# KiCad board skippy 2.kicad_pcb (continued)
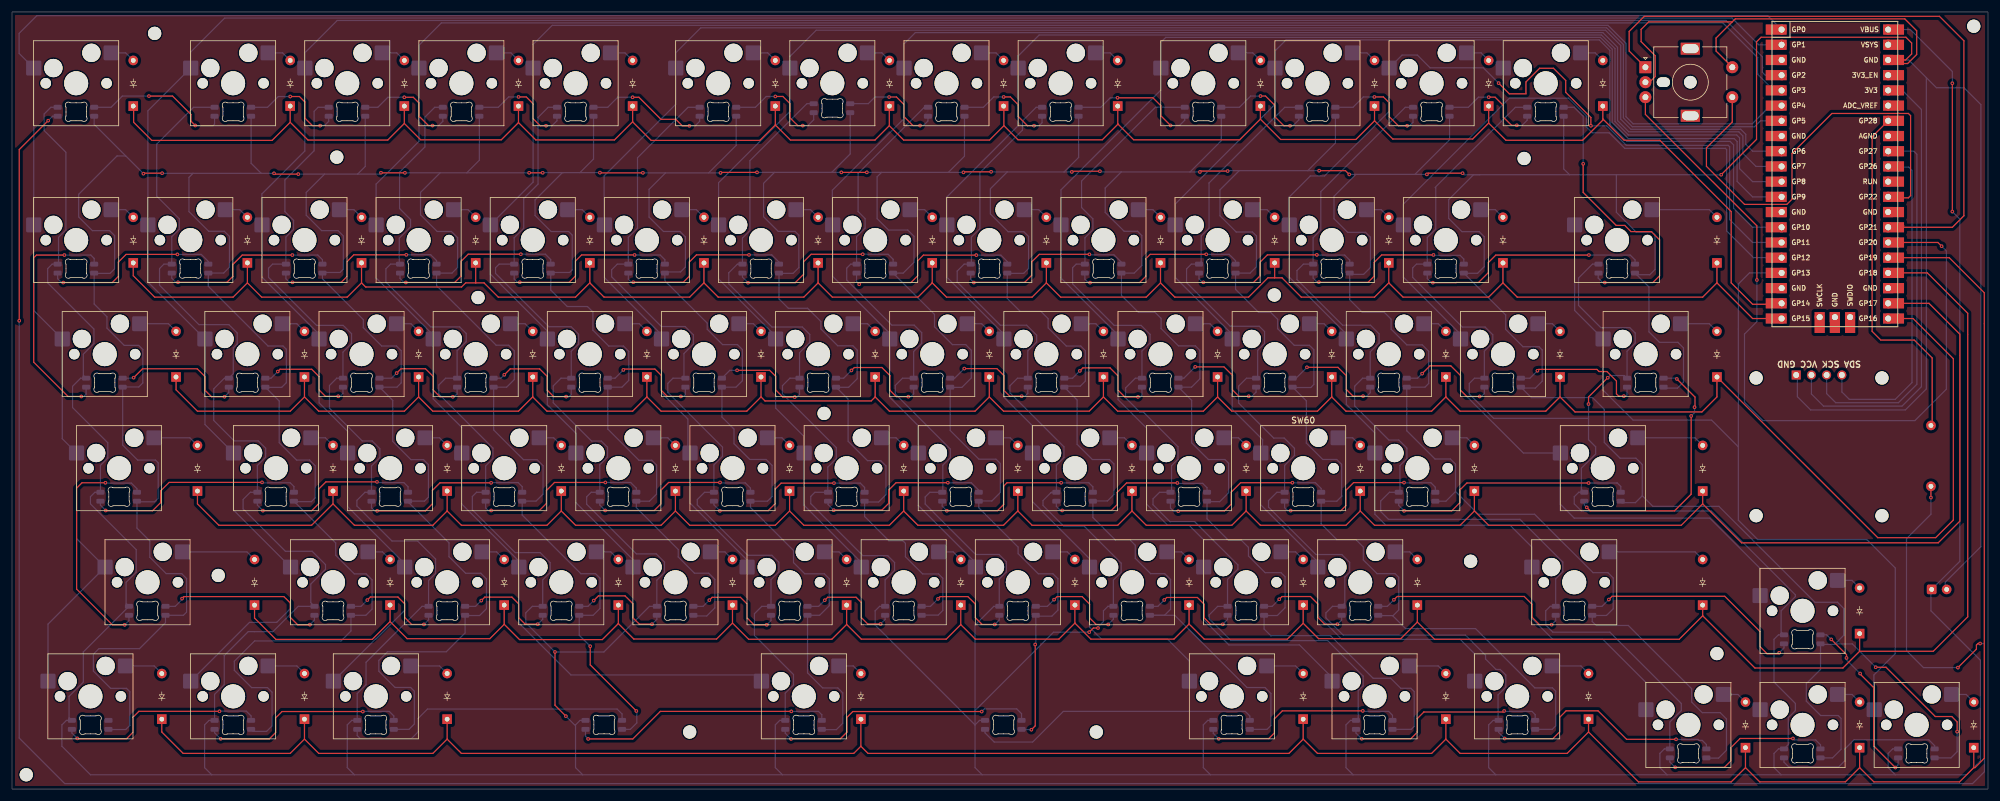
[diagram p0: board, top side]
## Nets
+3.3V: J1.2 U1.36
+5V: C1.1 L1.1 L2.1 L3.1 L4.1 L5.1 L6.1 L7.1 L8.1 L9.1 L10.1 L11.1 L12.1 L13.1 L14.1 L15.1 L16.1 L17.1 L18.1 L19.1 L20.1 L21.1 L22.1 L23.1 L24.1 L25.1 L26.1 L27.1 L28.1 L29.1 L30.1 L31.1 L32.1 L33.1 L34.1 L35.1 L36.1 L37.1 L38.1 L39.1 L40.1 L41.1 L42.1 L43.1 L44.1 L45.1 L46.1 L47.1 L48.1 L49.1 L50.1 L51.1 L52.1 L53.1 L54.1 L55.1 L56.1 L57.1 L58.1 L59.1 L60.1 L61.1 L62.1 L63.1 L64.1 L65.1 L66.1 L67.1 L68.1 L69.1 L70.1 L71.1 L72.1 L73.1 L74.1 L75.1 L76.1 L77.1 L78.1 L79.1 U1.40
GND: C1.2 J1.1 L1.3 L2.3 L3.3 L4.3 L5.3 L6.3 L7.3 L8.3 L9.3 L10.3 L11.3 L12.3 L13.3 L14.3 L15.3 L16.3 L17.3 L18.3 L19.3 L20.3 L21.3 L22.3 L23.3 L24.3 L25.3 L26.3 L27.3 L28.3 L29.3 L30.3 L31.3 L32.3 L33.3 L34.3 L35.3 L36.3 L37.3 L38.3 L39.3 L40.3 L41.3 L42.3 L43.3 L44.3 L45.3 L46.3 L47.3 L48.3 L49.3 L50.3 L51.3 L52.3 L53.3 L54.3 L55.3 L56.3 L57.3 L58.3 L59.3 L60.3 L61.3 L62.3 L63.3 L64.3 L65.3 L66.3 L67.3 L68.3 L69.3 L70.3 L71.3 L72.3 L73.3 L74.3 L75.3 L76.3 L77.3 L78.3 L79.3 SW78.C SW78.S2 U1.38
A: SW78.A U1.27
B: SW78.B U1.26
Col_1: SW1.1 SW2.1 SW3.1 SW4.1 SW5.1 SW6.1 U1.1
Col_2: SW7.1 SW8.1 SW9.1 SW10.1 SW11.1 SW12.1 U1.2
Col_3: SW13.1 SW14.1 SW15.1 SW16.1 SW17.1 SW18.1 U1.4
Col_4: SW19.1 SW20.1 SW21.1 SW22.1 SW23.1 SW24.1 U1.5
Col_5: SW25.1 SW26.1 SW27.1 SW28.1 SW29.1 U1.6
Col_6: SW30.1 SW31.1 SW32.1 SW33.1 SW34.1 U1.7
Col_7: SW35.1 SW36.1 SW37.1 SW38.1 SW39.1 U1.9
Col_8: SW40.1 SW41.1 SW42.1 SW43.1 SW44.1 U1.10
Col_9: SW45.1 SW46.1 SW47.1 SW48.1 SW49.1 SW50.1 U1.11
Col_10: SW51.1 SW52.1 SW53.1 SW54.1 SW55.1 SW56.1 U1.12
Col_11: SW57.1 SW58.1 SW59.1 SW60.1 SW61.1 SW62.1 U1.14
Col_12: SW63.1 SW64.1 SW65.1 SW66.1 SW67.1 SW68.1 U1.15
Col_13: SW69.1 SW70.1 SW71.1 SW72.1 SW73.1 SW74.1 U1.16
Col_14: SW75.1 SW76.1 SW77.1 U1.17
Led_DATA: L1.2 R1.2
Row_1: D1.1 D7.1 D13.1 D19.1 D25.1 D30.1 D35.1 D40.1 D45.1 D51.1 D57.1 D63.1 D69.1 U1.19
Row_2: D2.1 D8.1 D14.1 D20.1 D26.1 D31.1 D36.1 D41.1 D46.1 D52.1 D58.1 D64.1 D70.1 D75.1 U1.20
Row_3: D3.1 D9.1 D15.1 D21.1 D27.1 D32.1 D37.1 D42.1 D47.1 D53.1 D59.1 D65.1 D71.1 D76.1 U1.21
Row_4: D4.1 D10.1 D16.1 D22.1 D28.1 D33.1 D38.1 D43.1 D48.1 D54.1 D60.1 D66.1 D72.1 U1.22
Row_5: D5.1 D11.1 D17.1 D23.1 D29.1 D34.1 D39.1 D44.1 D49.1 D55.1 D61.1 D67.1 D73.1 U1.24
Row_6: D6.1 D12.1 D18.1 D24.1 D50.1 D56.1 D62.1 D68.1 D74.1 D77.1 U1.25
S1: SW78.S1 U1.29
SCL: J1.3 U1.32
SDA: J1.4 U1.31
Net-(D1-A): D1.2 SW1.2
Net-(D2-A): D2.2 SW2.2
Net-(D3-A): D3.2 SW3.2
Net-(D4-A): D4.2 SW4.2
Net-(D5-A): D5.2 SW5.2
Net-(D6-A): D6.2 SW6.2
Net-(D7-A): D7.2 SW7.2
Net-(D8-A): D8.2 SW8.2
Net-(D9-A): D9.2 SW9.2
Net-(D10-A): D10.2 SW10.2
Net-(D11-A): D11.2 SW11.2
Net-(D12-A): D12.2 SW12.2
Net-(D13-A): D13.2 SW13.2
Net-(D14-A): D14.2 SW14.2
Net-(D15-A): D15.2 SW15.2
Net-(D16-A): D16.2 SW16.2
Net-(D17-A): D17.2 SW17.2
Net-(D18-A): D18.2 SW18.2
Net-(D19-A): D19.2 SW19.2
Net-(D20-A): D20.2 SW20.2
Net-(D21-A): D21.2 SW21.2
Net-(D22-A): D22.2 SW22.2
Net-(D23-A): D23.2 SW23.2
Net-(D24-A): D24.2 SW24.2
Net-(D25-A): D25.2 SW25.2
Net-(D26-A): D26.2 SW26.2
Net-(D27-A): D27.2 SW27.2
Net-(D28-A): D28.2 SW28.2
Net-(D29-A): D29.2 SW29.2
Net-(D30-A): D30.2 SW30.2
Net-(D31-A): D31.2 SW31.2
Net-(D32-A): D32.2 SW32.2
Net-(D33-A): D33.2 SW33.2
Net-(D34-A): D34.2 SW34.2
Net-(D35-A): D35.2 SW35.2
Net-(D36-A): D36.2 SW36.2
Net-(D37-A): D37.2 SW37.2
Net-(D38-A): D38.2 SW38.2
Net-(D39-A): D39.2 SW39.2
Net-(D40-A): D40.2 SW40.2
Net-(D41-A): D41.2 SW41.2
Net-(D42-A): D42.2 SW42.2
Net-(D43-A): D43.2 SW43.2
Net-(D44-A): D44.2 SW44.2
Net-(D45-A): D45.2 SW45.2
Net-(D46-A): D46.2 SW46.2
Net-(D47-A): D47.2 SW47.2
Net-(D48-A): D48.2 SW48.2
Net-(D49-A): D49.2 SW49.2
Net-(D50-A): D50.2 SW50.2
Net-(D51-A): D51.2 SW51.2
Net-(D52-A): D52.2 SW52.2
Net-(D53-A): D53.2 SW53.2
Net-(D54-A): D54.2 SW54.2
Net-(D55-A): D55.2 SW55.2
Net-(D56-A): D56.2 SW56.2
Net-(D57-A): D57.2 SW57.2
Net-(D58-A): D58.2 SW58.2
Net-(D59-A): D59.2 SW59.2
Net-(D60-A): D60.2 SW60.2
Net-(D61-A): D61.2 SW61.2
Net-(D62-A): D62.2 SW62.2
Net-(D63-A): D63.2 SW63.2
Net-(D64-A): D64.2 SW64.2
Net-(D65-A): D65.2 SW65.2
Net-(D66-A): D66.2 SW66.2
Net-(D67-A): D67.2 SW67.2
Net-(D68-A): D68.2 SW68.2
Net-(D69-A): D69.2 SW69.2
Net-(D70-A): D70.2 SW70.2
Net-(D71-A): D71.2 SW71.2
Net-(D72-A): D72.2 SW72.2
Net-(D73-A): D73.2 SW73.2
Net-(D74-A): D74.2 SW74.2
Net-(D75-A): D75.2 SW75.2
Net-(D76-A): D76.2 SW76.2
Net-(D77-A): D77.2 SW77.2
Net-(L1-DOUT): L1.4 L2.2
Net-(L2-DOUT): L2.4 L3.2
Net-(L3-DOUT): L3.4 L4.2
Net-(L4-DOUT): L4.4 L5.2
Net-(L5-DOUT): L5.4 L6.2
Net-(L6-DOUT): L6.4 L7.2
Net-(L7-DOUT): L7.4 L8.2
Net-(L8-DOUT): L8.4 L9.2
Net-(L10-DIN): L9.4 L10.2
Net-(L10-DOUT): L10.4 L11.2
Net-(L11-DOUT): L11.4 L12.2
Net-(L12-DOUT): L12.4 L13.2
Net-(L13-DOUT): L13.4 L14.2
Net-(L14-DOUT): L14.4 L15.2
Net-(L15-DOUT): L15.4 L16.2
Net-(L16-DOUT): L16.4 L17.2
Net-(L17-DOUT): L17.4 L18.2
Net-(L18-DOUT): L18.4 L19.2
Net-(L19-DOUT): L19.4 L20.2
Net-(L20-DOUT): L20.4 L21.2
Net-(L21-DOUT): L21.4 L22.2
Net-(L22-DOUT): L22.4 L23.2
Net-(L23-DOUT): L23.4 L24.2
Net-(L24-DOUT): L24.4 L25.2
Net-(L25-DOUT): L25.4 L26.2
Net-(L26-DOUT): L26.4 L27.2
Net-(L27-DOUT): L27.4 L28.2
Net-(L28-DOUT): L28.4 L29.2
Net-(L29-DOUT): L29.4 L30.2
Net-(L30-DOUT): L30.4 L31.2
Net-(L31-DOUT): L31.4 L32.2
Net-(L32-DOUT): L32.4 L33.2
Net-(L33-DOUT): L33.4 L34.2
Net-(L34-DOUT): L34.4 L35.2
Net-(L35-DOUT): L35.4 L36.2
Net-(L36-DOUT): L36.4 L37.2
Net-(L37-DOUT): L37.4 L38.2
Net-(L38-DOUT): L38.4 L39.2
Net-(L39-DOUT): L39.4 L40.2
Net-(L40-DOUT): L40.4 L41.2
Net-(L41-DOUT): L41.4 L42.2
Net-(L42-DOUT): L42.4 L43.2
Net-(L43-DOUT): L43.4 L44.2
Net-(L44-DOUT): L44.4 L45.2
Net-(L45-DOUT): L45.4 L46.2
Net-(L46-DOUT): L46.4 L47.2
Net-(L47-DOUT): L47.4 L48.2
Net-(L48-DOUT): L48.4 L49.2
Net-(L49-DOUT): L49.4 L50.2
Net-(L50-DOUT): L50.4 L51.2
Net-(L51-DOUT): L51.4 L52.2
Net-(L52-DOUT): L52.4 L53.2
Net-(L53-DOUT): L53.4 L54.2
Net-(L54-DOUT): L54.4 L55.2
Net-(L55-DOUT): L55.4 L56.2
Net-(L56-DOUT): L56.4 L57.2
Net-(L57-DOUT): L57.4 L58.2
Net-(L58-DOUT): L58.4 L59.2
Net-(L59-DOUT): L59.4 L60.2
Net-(L60-DOUT): L60.4 L61.2
Net-(L61-DOUT): L61.4 L62.2
Net-(L62-DOUT): L62.4 L63.2
Net-(L63-DOUT): L63.4 L64.2
Net-(L64-DOUT): L64.4 L65.2
Net-(L65-DOUT): L65.4 L66.2
Net-(L66-DOUT): L66.4 L67.2
Net-(L67-DOUT): L67.4 L68.2
Net-(L68-DOUT): L68.4 L69.2
Net-(L69-DOUT): L69.4 L70.2
Net-(L70-DOUT): L70.4 L71.2
Net-(L71-DOUT): L71.4 L72.2
Net-(L72-DOUT): L72.4 L73.2
Net-(L73-DOUT): L73.4 L74.2
Net-(L74-DOUT): L74.4 L75.2
Net-(L75-DOUT): L75.4 L76.2
Net-(L76-DOUT): L76.4 L77.2
Net-(L77-DOUT): L77.4 L78.2
Net-(L78-DOUT): L78.4 L79.2
Net-(U1-GPIO28_ADC2): R1.1 U1.34

Pads without a net: L79 4; SW78 MP; U1 3 8 13 18 23 28 30 33 35 37 39 41 42 43

## Via types
v1: diameter 0.6, hole 0.3, Top to Bottom, 202 vias

## Routing (per net, layer and track width the routed paths; a pad name or vN(x,y) marks a point on that pad's centre or on a via; arc(x,y) is an arc through that point)
+3.3V: length 79.5
  Top w0.2: 315.21,116.92 313.13,116.92 313.41,117.2
  Bottom w0.2: J1.2 300.33,65.97 302.35,63.95 315.45,63.95 318.69,67.19 318.69,113.5 315.27,116.92 313.13,116.92
+5V: length 2566.2
  Top w0.2: v1(266.33,68.69) 263.13,65.48 v1(263.13,64.29) ; v1(181.26,26.89) 180.48,26.89 v1(179.78,26.19) ; v1(323.85,117.87) v1(323.85,96.44) ; v1(90.63,22.89) 90.63,13.99 v1(92.45,12.17)
  Bottom w0.2: 94.06,10.72 94.06,3.57 95.25,2.38 ; 94.06,10.72 93.9,10.72 v1(92.45,12.17) ; 94.06,10.72 94.81,11.47 L76.1 ; 223.84,2.38 200.03,2.38 ; 223.84,2.38 247.65,2.38 ; 223.84,2.38 222.65,3.57 222.65,10.72 223.4,11.47 L72.1 224.69,11.84 224.69,16.41 225.52,17.24 225.52,18.86 219.59,24.79 203.46,24.79 199.82,28.43 199.82,29.09 201.24,30.52 L64.1 202.88,35 204.61,36.73 204.61,37.43 197.39,44.65 193.28,44.65 190.44,47.49 190.44,48.46 191.54,49.57 L45.1 193.54,49.75 193.54,54.01 194.61,55.08 194.61,57.18 188.82,62.97 188.23,62.97 185.87,65.33 185.87,67 187.48,68.62 L37.1 188.59,73.15 189.96,74.52 189.96,75.93 188.46,77.43 183.96,77.43 177.02,84.37 177.02,87.06 177.62,87.67 L18.1 179.08,87.68 179.08,92.07 180.4,93.39 180.4,95.23 178.52,97.11 178.52,101.55 190.83,113.86 L10.1 ; 200.03,2.38 198.83,3.57 198.83,10.72 199.58,11.47 L73.1 ; 200.03,2.38 161.93,2.38 ; L1.1 6.49,113.86 5.37,112.74 5.37,109.98 9,106.35 9,93.37 7.77,92.14 7.77,87.82 L27.1 6.7,87.67 5.95,86.92 5.95,84.53 13.68,76.81 13.68,74.4 11.91,72.63 11.91,69.09 L28.1 11.47,68.62 10.11,67.26 10.11,63.71 15.99,57.83 15.99,55.28 14.76,54.05 L54.1 13.85,49.57 13.1,48.82 13.1,47.62 20.73,39.99 20.73,36.21 19.05,34.53 19.05,30.99 L55.1 11.91,22.9 11.91,17.86 9.53,15.48 9.53,11.94 L79.1 9.08,11.47 8.33,10.72 8.33,7.14 13.1,2.38 33.34,2.38 ; v1(266.33,68.69) 266.7,69.06 269.11,69.06 269.55,68.62 269.55,73.11 270.92,74.48 270.92,76.16 270.01,77.07 265.17,77.07 261.46,80.78 261.46,85.34 263.78,87.67 L14.1 ; L8.1 152.27,113.86 141.22,102.81 141.22,96.44 142.39,95.27 142.39,93.68 140.97,92.26 L20.1 139.99,87.67 139.32,86.99 139.32,85.01 146.85,77.48 150.57,77.48 151.84,76.21 151.84,74.42 150.49,73.07 L35.1 148.63,68.62 147.43,67.41 147.43,65.97 156.61,56.79 156.61,55.33 155.36,54.08 155.36,49.67 L47.1 153.19,49.57 152.42,48.79 152.42,47.59 160.83,39.18 164.74,39.18 165.97,37.95 165.97,36.26 164.78,35.07 L62.1 163.87,30.52 160.73,27.38 160.73,13.1 ; L2.1 30.31,113.86 24.16,107.71 24.16,99.01 27.94,95.23 27.94,93.51 26.67,92.24 L26.1 25.36,87.67 24.63,86.93 24.63,84.14 31.22,77.55 36.21,77.55 37.59,76.17 37.59,74.32 36.94,73.67 36.94,69.36 L29.1 35.45,68.62 33.67,66.83 33.67,61.56 37.08,58.15 41.11,58.15 42.34,56.92 42.34,55.99 42.33,55.98 42.33,55.41 40.95,54.03 40.95,49.57 39.78,49.57 38.58,48.36 38.58,46.77 45.64,39.71 50.1,39.71 52.33,37.48 52.33,36.69 49.87,34.23 49.87,31.13 L56.1 47.78,30.52 43.55,26.28 40.44,26.28 40.43,26.29 39.43,26.29 35.43,22.29 35.43,17.43 33.81,15.81 L78.1 32.9,11.47 32.15,10.72 32.15,3.57 33.34,2.38 ; 276.23,2.38 247.65,2.38 ; 276.23,2.38 275.03,3.57 275.03,5.95 275.78,6.7 L70.1 276.7,11.19 278.61,13.1 278.61,14.29 266.7,26.19 257.18,26.19 255.98,27.38 255.98,29.77 256.73,30.52 L66.1 257.65,35.1 258.84,36.29 258.84,37.89 251.69,45.04 229.74,45.04 228.44,46.34 228.44,48.1 229.9,49.57 L43.1 231.66,49.77 231.66,54.03 232.81,55.18 232.81,56.94 231.47,58.28 229.81,58.28 224.1,63.99 224.1,67.28 225.43,68.62 L39.1 226.69,73.01 228.18,74.5 228.18,76.02 226.74,77.46 222.09,77.46 214.47,85.08 214.47,86.59 215.54,87.67 L16.1 217.17,92.09 218.45,93.37 218.45,99.77 232.54,113.86 L12.1 ; 276.23,2.38 295.28,2.38 ; 247.65,2.38 246.46,3.57 246.46,10.72 247.21,11.47 L71.1 248.03,11.56 248.03,15.73 249.32,17.02 249.32,19.04 248.39,19.97 247.69,19.97 245.94,21.72 245.94,22.35 242.59,25.7 222.19,25.7 219.3,28.59 219.3,29.42 220.39,30.52 L65.1 222.45,31.04 222.45,35.41 223.26,36.22 223.26,37.86 221.96,39.16 217.64,39.16 209.72,47.08 209.72,48.16 211.12,49.57 L44.1 212.4,54.04 214.08,55.72 214.05,55.75 214.05,56.91 212.34,58.62 210.58,58.62 204.73,64.47 204.73,67.29 206.05,68.62 L38.1 207.9,68.87 207.9,73.26 209.06,74.42 209.06,76.4 208.17,77.29 203.33,77.29 196.04,84.58 196.04,86.87 196.83,87.67 L17.1 198.48,88.03 198.48,92.36 199.79,93.67 199.79,101.22 212.43,113.86 L11.1 ; 128.59,2.38 127.4,3.57 127.4,10.72 128.15,11.47 L75.1 129.06,16.01 130.44,17.39 130.44,19.12 123.92,25.64 123.92,29.29 125.14,30.52 L60.1 126.68,34.96 128,36.28 128,37.87 126.83,39.04 122.79,39.04 114.38,47.45 114.38,48.34 115.6,49.57 L49.1 117.15,54.12 118.59,55.56 118.59,57.11 109.46,66.24 109.46,67.75 110.32,68.62 L33.1 112.15,68.86 112.15,72.73 113.74,74.32 113.74,75.85 112.35,77.24 108.39,77.24 100.09,85.54 100.09,86.73 101.02,87.67 L22.1 102.87,92.14 104.4,93.67 104.4,105.42 112.84,113.86 L6.1 ; 128.59,2.38 95.25,2.38 ; 128.59,2.38 161.93,2.38 ; U1.40 316.83,126.84 316.84,126.85 323.85,119.84 v1(323.85,117.87) ; v1(179.78,26.19) 173.83,26.19 160.73,13.1 ; L24.1 63.19,87.67 62.41,86.88 62.41,84.67 69.89,77.19 74.71,77.19 75.81,76.09 75.81,74.72 74.29,73.2 L31.1 72.37,68.62 71.23,67.47 71.23,65.99 80.28,56.94 80.28,55.18 79.05,53.95 L51.1 77.54,49.57 76.84,48.86 76.84,46.63 83.98,39.49 88.16,39.49 89.83,37.82 89.83,36.18 88.58,34.93 L58.1 86.84,30.52 85.75,29.42 85.75,27.77 v1(90.63,22.89) 98.79,22.89 106.41,30.52 L59.1 107.63,34.88 108.91,36.16 108.91,37.9 107.53,39.28 104.21,39.28 95.92,47.57 95.92,48.81 96.67,49.57 98.1,49.57 98.1,54.15 99.4,55.45 99.4,57.09 98.38,58.11 96.74,58.11 90.34,64.51 90.34,67.32 91.63,68.62 L32.1 93.34,73.1 94.57,74.33 94.57,75.97 93.33,77.21 89.61,77.21 80.71,86.11 80.71,87.07 81.3,87.67 L23.1 83.82,92.07 85.41,93.66 85.41,98.64 87.8,101.03 87.8,112.17 89.49,113.86 L5.1 ; L24.1 64.77,87.37 ; L24.1 64.64,87.79 64.64,92.01 66.52,93.89 66.52,95.12 64.69,96.95 64.69,103.01 68.92,107.24 68.92,112.22 70.56,113.86 L4.1 ; L7.1 132.68,114.46 123.16,104.94 123.16,93.26 121.92,92.02 L21.1 121.07,87.67 119.63,86.22 119.63,84.38 126.84,77.17 131.91,77.17 133.15,75.93 133.15,74.58 131.44,72.87 L34.1 129.83,68.62 128.6,67.38 128.6,66 137.58,57.02 137.58,55.18 136.16,53.76 136.16,49.61 136.2,49.57 134.01,49.57 133.32,48.87 133.32,47.67 142.01,38.98 146.15,38.98 147.31,37.82 147.31,36.51 145.73,34.93 L61.1 144.82,30.52 144.07,29.77 144.07,27.38 160.73,10.72 ; 160.73,13.1 160.73,10.72 ; 95.25,2.38 57.15,2.38 ; 263.13,61.91 263.13,58.34 264.32,57.15 264.32,55.96 261.94,53.58 261.94,50.04 L42.1 261.5,49.57 260.75,48.82 260.75,47.62 261.94,46.43 283.65,46.43 297.66,32.43 297.66,32.15 295.28,29.77 295.28,26.22 L67.1 294.83,25.75 294.08,25 294.08,17.86 297.66,14.29 297.66,13.1 296.47,11.91 296.47,7.42 L69.1 294.83,6.7 294.08,5.95 294.08,3.57 295.28,2.38 ; 263.13,61.91 v1(263.13,64.29) ; 263.13,61.91 247.29,61.91 243.23,65.97 243.23,67.74 244.1,68.62 L40.1 245.74,73.13 247.15,74.54 247.15,75.87 245.86,77.16 242.07,77.16 233.78,85.45 233.78,87.03 234.41,87.67 L15.1 236.22,92.11 237.63,93.52 237.63,100.41 237.55,100.49 250.92,113.86 L13.1 ; 161.93,2.38 160.73,3.57 160.73,10.72 ; 160.73,10.72 161.48,11.47 L74.1 ; 57.15,2.38 55.96,3.57 55.96,10.72 56.71,11.47 L77.1 57.62,15.95 59.1,17.43 59.1,21.17 68.44,30.52 L57.1 69.53,34.83 70.7,36 70.7,38.41 67.69,41.42 63.42,41.42 57.57,47.27 57.57,48.21 58.92,49.57 L52.1 60,53.96 61.4,55.36 61.4,56.85 60.11,58.14 58.46,58.14 52.99,63.61 52.99,67.4 54.2,68.62 L30.1 55.24,72.97 56.68,74.41 56.68,76.03 55.28,77.43 50.84,77.43 42.82,85.45 42.82,86.99 43.49,87.67 L25.1 45.72,92.19 47,93.47 47,94.98 45.55,96.43 45.55,101.72 50.43,106.6 50.43,113.19 51.1,113.86 L3.1 ; 57.15,2.38 33.34,2.38 ; 314.32,2.38 295.28,2.38 ; 314.32,2.38 313.13,3.57 313.13,5.95 313.88,6.7 L68.1 ; 314.32,2.38 326.23,2.38 328.54,4.69 328.54,21.51 320.28,29.77 320.28,33.22 C1.1 325.1,38.04 325.1,95.19 v1(323.85,96.44) ; L9.1 170.93,113.86 168.65,111.58 168.65,110.04 161.54,102.93 161.54,93.57 160.13,92.16 160.13,87.78 L19.1 158.91,87.67 157.76,86.51 157.76,84.67 164.97,77.46 169.36,77.46 171.02,75.8 171.02,74.66 169.54,73.18 L36.1 167.83,68.62 166.56,67.34 166.56,66.17 175.58,57.15 175.58,55.36 174.3,54.08 L46.1 173.51,49.57 173.39,49.44 173.35,49.44 172.08,48.17 172.08,47.37 175.54,43.91 178.94,43.91 185.13,37.72 185.13,36.2 183.83,34.9 L63.1 182.92,30.52 182.17,29.77 182.17,27.97 181.26,27.06 v1(181.26,26.89)
GND: length 2672.3
  Top w0.2: v1(170.14,9.91) 170.78,10.55 v1(170.78,24.14) ; v1(181.58,103.18) 177.01,103.18 v1(176.89,103.06) ; v1(65.59,102.92) 61.6,102.92 v1(61.59,102.93) ; v1(163.42,103.09) 158.91,103.09 v1(158.81,102.99) ; v1(43.74,102.83) 43.87,102.7 v1(47.79,102.7) ; v1(142.68,102.99) v1(138.42,102.99) ; v1(202.9,103.21) 198.42,103.21 v1(198.27,103.06) ; v1(236.15,102.65) 236.35,102.85 v1(242.11,102.85) ; v1(118.26,102.91) 118.34,102.99 v1(124.35,102.99) ; v1(98.13,102.95) 98.17,102.91 v1(105.3,102.91) ; 287.12,128.13 284.42,125.43 284.42,123.25 SW78.S2 ; 287.12,128.13 273.17,128.13 271.91,126.87 271.91,124.82 274.26,122.47 274.26,119 273.31,118.05 SW78.C ; 287.12,128.13 287.62,128.63 315.91,128.63 317.9,126.64 317.9,122.68 316.39,121.17 313.73,121.17 U1.38 316.05,121.76 317.06,122.77 317.06,124.6 316.1,125.56 291.93,125.56 291.17,124.8 291.17,108.5 v1(285.27,102.6) ; v1(25.06,102.85) 22.01,102.85 v1(21.94,102.78) ; v1(218.17,103.28) 222.56,103.28 v1(223.19,102.65) ; v1(88.58,102.92) v1(86.32,102.92) ; v1(104.21,13.03) 96.51,20.73 v1(96.51,23.85) ; v1(324.65,9.58) 324.65,11.21 323.75,12.11 321.01,12.11 312.78,20.34 v1(311.06,20.34)
  Bottom w0.2: 57.68,102.7 61.36,102.7 v1(61.59,102.93) ; 57.68,102.7 52.17,102.7 ; 57.68,102.7 58.96,103.98 L3.3 ; 116.29,102.91 120.87,107.49 L6.3 ; 116.29,102.91 v1(118.26,102.91) ; 116.29,102.91 109.08,102.91 ; U1.38 316.57,121.76 319.51,118.82 ; J1.1 297.99,68.95 297.99,65.52 300.2,63.31 316,63.31 319.51,66.82 319.51,118.82 ; 204.83,103.28 201.61,100.06 201.61,95.75 204.33,93.03 207.04,93.03 207.71,92.36 207.71,87.23 206.64,86.17 L17.3 204.22,83.45 208.06,79.61 210.08,79.61 211.24,78.45 211.24,76.88 214.01,74.11 216.54,74.11 217.29,73.36 217.29,67.57 216.78,67.06 213.8,67.06 L38.3 216.03,64.83 216.03,57.78 218.77,55.04 221.11,55.04 221.92,54.23 221.92,48.88 221.1,48.07 L44.3 218.5,44.28 221.13,41.66 224.3,41.66 225.54,40.42 225.54,38.26 227.83,35.97 230.84,35.97 231.45,35.36 231.45,29.91 230.51,28.97 230.41,28.97 ; 204.83,103.28 202.97,103.28 v1(202.9,103.21) ; 204.83,103.28 216.27,103.28 ; L73.3 209.47,9.97 210.12,10.61 210.12,15.97 209.14,16.95 206.13,16.95 194.06,29.02 L63.3 192.36,29.02 193.37,30.02 193.37,35 192.4,35.97 190.04,35.97 187.48,38.53 187.48,40.72 186.63,41.57 184.18,41.57 180.4,45.34 L46.3 180.46,48.12 182.84,48.12 183.92,49.2 183.92,54.3 183.19,55.03 180.32,55.03 177.77,57.58 177.77,64.99 L36.3 175.81,67.29 178.3,67.29 179.15,68.14 179.15,73.22 178.39,73.98 175.97,73.98 172.94,77.01 172.94,78.55 171.71,79.78 168.27,79.78 166.12,81.93 L19.3 166.15,86.13 168.87,86.13 169.67,86.93 169.67,92.29 168.88,93.08 166.26,93.08 163.3,96.04 163.3,100.25 166.11,103.06 ; L69.3 303.85,5.2 305.28,6.63 305.28,11.79 304.8,12.27 301.88,12.27 299.48,14.67 299.48,17.61 301.85,19.98 L67.3 301.94,24.16 304.21,24.16 304.28,24.23 ; L72.3 233.54,9.97 234.03,10.45 234.03,16.28 233.48,16.83 231.77,16.83 230.1,18.5 227.18,18.5 220.07,25.61 210.09,25.61 208.98,26.72 L64.3 209.01,28.98 211.18,28.98 212.48,30.28 212.48,35.46 211.81,36.13 209.16,36.13 206.37,38.92 206.37,40.36 205.18,41.55 203.03,41.55 199.45,45.12 L45.3 199.53,47.99 201.57,47.99 203.05,49.47 203.05,54.42 202.44,55.03 199.69,55.03 196.89,57.83 196.89,64.92 L37.3 196.86,67.12 198.26,68.51 198.26,73.27 197.52,74.01 194.69,74.01 191.79,76.91 191.79,78.61 190.79,79.61 188.01,79.61 185.17,82.45 L18.3 187.29,86.17 188.57,87.44 188.57,92.45 187.87,93.15 185.63,93.15 182.46,96.32 182.46,100.38 185.14,103.06 ; 267.78,102.6 267.78,96.32 271.09,93.01 273.75,93.01 274.23,92.53 274.23,86.77 273.35,85.89 271.17,85.89 L14.3 273.21,83.85 273.21,76.36 274.96,74.61 278.04,74.61 278.98,73.67 278.98,67.96 277.97,66.95 275.82,66.95 L41.3 ; 267.78,102.6 v1(285.27,102.6) ; 267.78,102.6 259.95,102.6 ; 166.11,103.06 163.45,103.06 v1(163.42,103.09) ; 166.11,103.06 175.6,103.06 ; 224.3,102.65 v1(223.19,102.65) ; 224.3,102.65 220.65,99 220.65,95.25 222.93,92.97 225.92,92.97 226.73,92.16 226.73,87.1 225.59,85.96 223.47,85.96 L16.3 223.27,81.72 225.36,79.63 229.02,79.63 230.18,78.47 230.18,76.8 232.8,74.18 235.38,74.18 236.45,73.11 236.45,67.73 235.83,67.12 L39.3 232.79,59.84 237.51,55.12 240.08,55.12 240.93,54.27 240.93,49.68 ; 224.3,102.65 234.15,102.65 ; 109.08,102.91 v1(105.3,102.91) ; 109.08,102.91 106.33,100.16 106.33,95.52 108.73,93.12 111.5,93.12 112.4,92.22 112.4,87.18 111.58,86.36 109.16,86.36 L22.3 108.97,84.88 116.04,77.81 116.04,76.78 118.6,74.22 121.08,74.22 121.91,73.39 121.91,68.19 120.83,67.12 L33.3 118.49,62.13 120.51,60.11 120.51,57.68 123.15,55.04 125.88,55.04 126.87,54.05 126.87,48.85 126.08,48.07 L49.3 123.25,47.02 130.44,39.84 130.44,37.82 132.31,35.95 135.58,35.95 136.41,35.12 136.41,30.63 134.79,29.02 L60.3 132.78,19.4 135.29,16.89 137.83,16.89 138.66,16.06 138.66,10.99 137.59,9.92 135.21,9.92 L75.3 ; 71.46,102.92 v1(65.59,102.92) ; 71.46,102.92 68.19,99.65 68.19,95.9 70.97,93.12 73.34,93.12 74.38,92.08 74.38,87.11 73.43,86.17 L24.3 70.87,84.06 80.8,74.13 82.9,74.13 83.84,73.19 83.84,68.4 82.55,67.12 L31.3 80.39,59.98 85.37,55 87.65,55 88.64,54.01 88.64,49.26 87.46,48.08 85.17,48.08 L51.3 85.15,45.76 94.96,35.96 97.4,35.96 98.14,35.22 98.14,30.16 96.99,29.02 L58.3 94.68,25.68 v1(96.51,23.85) ; 71.46,102.92 75.91,102.92 ; v1(98.13,102.95) 94.79,102.95 ; 94.79,102.95 92.05,102.95 ; 94.79,102.95 97.06,105.22 L5.3 ; v1(25.06,102.85) 25.08,102.83 30.22,102.83 ; L71.3 257.07,9.97 257.65,10.54 257.65,16.35 257.1,16.9 254.16,16.9 244.27,26.79 232.59,26.79 230.41,28.97 ; L78.3 40.25,9.63 42.5,9.63 43.41,10.54 43.41,16.17 42.64,16.94 40,16.94 37.11,19.83 37.11,21.34 40.51,24.74 54.92,24.74 56.58,26.4 L56.3 59.06,29.02 60.1,30.05 60.1,34.95 59.11,35.94 57.13,35.94 54.03,39.04 54.03,41.09 L53.3 47.13,47.99 49.97,47.99 50.61,48.63 50.61,53.99 49.68,54.92 49.68,54.94 47.5,54.94 44.6,57.84 44.6,64.81 L29.3 42.32,67.09 45.02,67.09 45.79,67.86 45.79,73.44 45.24,73.99 42.74,73.99 32.77,83.96 L26.3 32.77,86.17 35.33,86.17 36.3,87.14 36.3,92.3 35.45,93.15 32.83,93.15 29.54,96.44 29.54,102.15 30.22,102.83 ; 13.91,86.36 L27.3 ; L27.3 13.76,86.12 16.36,86.12 17.13,86.89 17.13,92.43 16.3,93.26 13.42,93.26 11.13,95.55 11.13,99.33 17.53,105.73 18.94,105.73 18.96,105.75 ; L27.3 13.72,81.01 15.85,78.88 15.85,76.98 18.74,74.09 21.16,74.09 21.84,73.41 21.84,67.84 21.15,67.15 18.51,67.15 L28.3 18.48,57.44 20.98,54.94 23.95,54.94 24.41,54.48 24.41,48.57 23.81,47.97 20.96,47.97 L54.3 20.86,43.57 23,41.43 23,38.71 25.73,35.98 28.32,35.98 29.14,35.16 29.14,29.55 28.6,29.02 L55.3 25.62,27.78 21.28,23.44 14.51,23.44 13.59,22.52 13.59,19.69 16.46,16.82 19.11,16.82 19.67,16.26 19.67,10.62 18.99,9.94 16.12,9.94 L79.3 ; L27.3 13.9,85.98 ; 136.83,102.99 127.27,102.99 ; 136.83,102.99 v1(138.42,102.99) ; 136.83,102.99 139.9,106.06 L7.3 ; 127.27,102.99 125.44,101.16 125.44,95.58 127.89,93.13 130.7,93.13 131.33,92.5 131.33,87.09 130.37,86.13 128.05,86.13 L21.3 128.02,81.85 129.58,80.29 132.8,80.29 135.01,78.08 135.01,76.84 137.82,74.03 140.35,74.03 141.07,73.31 141.07,68.53 139.64,67.1 137.56,67.1 L34.3 139.56,65.1 139.56,58.07 142.79,54.84 145,54.84 145.87,53.97 145.87,49.16 144.65,47.94 142.43,47.94 L48.3 142.3,45.51 146.35,41.47 148.69,41.47 149.12,41.04 149.12,38.8 152,35.92 154.65,35.92 155.36,35.21 155.36,29.83 154.57,29.04 151.85,29.04 L61.3 ; 127.27,102.99 v1(124.35,102.99) ; 75.91,102.92 78.01,105.02 L4.3 ; 75.91,102.92 v1(86.32,102.92) ; L77.3 66.26,9.97 67.16,10.86 67.16,16.34 66.54,16.96 63.94,16.96 61.23,19.67 61.23,21.48 62.67,22.92 72.48,22.92 75.63,26.07 L57.3 75.66,28.98 78.05,28.98 79.19,30.12 79.19,35.1 78.25,36.04 75.71,36.04 72.94,38.81 72.94,41.11 66.1,47.94 L52.3 66.12,48.08 68.85,48.08 69.51,48.74 69.51,54.19 68.69,55.01 66.59,55.01 63.55,58.05 63.55,64.91 L30.3 64.24,67.12 64.96,67.83 64.96,73.21 64.18,73.99 61.71,73.99 58.64,77.06 58.64,78.4 51.82,85.22 L25.3 51.92,86.27 54.75,86.27 55.31,86.83 55.31,92.37 54.42,93.26 51.68,93.26 49.11,95.83 49.11,99.64 52.17,102.7 ; 196.62,103.06 185.14,103.06 ; 196.62,103.06 201.83,108.28 L10.3 ; 196.62,103.06 v1(198.27,103.06) ; 185.14,103.06 181.7,103.06 v1(181.58,103.18) ; v1(88.58,102.92) 88.61,102.95 92.05,102.95 ; 319.51,118.82 321.2,117.13 325.78,117.13 328.61,114.3 328.61,40.48 322.66,34.53 322.66,33.58 C1.2 ; L59.3 113.83,28.91 115.97,28.91 117.31,30.25 117.31,35.02 116.28,36.05 113.91,36.05 111.2,38.76 111.2,40 104.2,46.99 L50.3 106.39,48.07 107.59,49.26 107.59,54.11 106.79,54.91 104.64,54.91 99.44,60.11 L32.3 101.8,67.12 102.94,68.25 102.94,73.1 102.06,73.98 99.6,73.98 96.95,76.63 96.95,79.69 96.06,80.58 92.68,80.58 89.92,83.34 L23.3 90.02,86.27 93.07,86.27 93.51,86.71 93.51,92.51 92.91,93.11 89.98,93.11 87.3,95.79 87.3,98.38 91.87,102.95 92.05,102.95 ; v1(324.65,9.58) 324.65,6.23 323.62,5.2 L68.3 ; 272.1,48.98 272.1,54.2 271.05,55.25 268.4,55.25 265.76,57.89 265.76,63.41 263.8,65.37 253.59,65.37 L40.3 251.99,66.97 254.26,66.97 255.4,68.11 255.4,73.34 254.87,73.87 252.19,73.87 249.3,76.76 249.3,79.18 L15.3 242.34,86.14 244.62,86.14 245.72,87.24 245.72,92.26 244.89,93.09 242,93.09 239.79,95.3 239.79,98.45 243.94,102.6 245,102.6 ; 272.1,48.98 270.95,47.83 268.75,47.83 L42.3 ; 272.1,48.98 273.87,47.21 284.9,47.21 300.92,31.19 304.69,31.19 305.7,30.18 305.7,25.65 304.28,24.23 ; 304.28,24.23 307.16,24.23 v1(311.06,20.34) ; 52.17,102.7 v1(47.79,102.7) ; 175.6,103.06 178.02,105.48 L9.3 ; 175.6,103.06 v1(176.89,103.06) ; 234.15,102.65 239.93,108.44 L12.3 ; 234.15,102.65 v1(236.15,102.65) ; 240.93,49.68 244.72,45.89 254.13,45.89 263.89,36.13 266.37,36.13 267.25,35.25 267.25,30.11 266.13,28.99 263.77,28.99 L66.3 263.75,27.97 264.4,27.32 269.77,27.32 280.34,16.75 280.34,14.53 282.12,12.75 285.12,12.75 286.15,11.72 286.15,6.48 284.83,5.16 282.84,5.16 L70.3 ; 240.93,49.68 239.31,48.07 L43.3 ; 41.59,102.83 39.91,104.51 L2.3 ; 41.59,102.83 30.22,102.83 ; 41.59,102.83 v1(43.74,102.83) ; 245,102.6 242.36,102.6 v1(242.11,102.85) ; 245,102.6 259.95,102.6 ; v1(21.94,102.78) 18.96,105.75 ; 18.96,105.75 13.72,111 L1.3 ; 230.41,28.97 228.07,28.97 L65.3 ; v1(158.81,102.99) 156.28,102.99 ; 156.28,102.99 145.13,102.99 ; 156.28,102.99 158.97,105.68 L8.3 ; L11.3 220.88,107.9 216.27,103.28 ; 259.95,102.6 258.98,103.56 L13.3 ; 145.13,102.99 144.4,102.26 144.4,95.25 146.3,93.35 149.51,93.35 150.55,92.31 150.55,87.97 148.74,86.17 L20.3 153.97,79.26 153.97,77.21 156.96,74.22 159.18,74.22 160.11,73.29 160.11,68.65 158.54,67.08 156.63,67.08 L35.3 156.59,59.88 161.38,55.09 164.23,55.09 164.96,54.36 164.96,49.53 163.54,48.11 161.4,48.11 L47.3 161.35,46.97 167.93,40.4 167.93,39.31 171.29,35.95 173.74,35.95 174.57,35.12 174.57,29.88 173.56,28.87 171.02,28.87 L62.3 170.88,24.24 v1(170.78,24.14) ; 145.13,102.99 v1(142.68,102.99) ; 216.27,103.28 v1(218.17,103.28) ; L74.3 168.55,9.91 v1(170.14,9.91) ; L76.3 103.2,9.97 104.28,11.04 104.28,12.96 v1(104.21,13.03)
A: length 111
  Top w0.2: 313.13,94.06 315.76,94.06 ; U1.27 323.86,93.82 325.78,95.74 325.78,124.97 321.7,129.05 272.43,129.05 269.92,126.54 269.92,123.25 SW78.A
B: length 130
  Top w0.2: v1(291.23,85.02) 291.23,94.06 272.62,112.67 SW78.B ; v1(322.06,90.66) 321.44,91.28 U1.26
  Bottom w0.2: v1(291.23,85.02) 291.23,78.06 289.16,75.99 289.16,64.59 292.22,61.53 317.6,61.53 322.85,66.78 322.85,89.87 v1(322.06,90.66)
Col_1: length 414.4
  Bottom w0.2: U1.1 293.04,129.16 4.14,129.16 1.19,126.21 1.19,122.85 SW1.1 SW2.1 3.63,79.93 SW3.1 8.39,58.5 SW4.1 10.77,41.83 SW5.1 6.01,27.54 SW6.1
Col_2: length 397.2
  Bottom w0.2: U1.2 291.53,124.3 287.07,128.76 35.49,128.76 29.82,123.1 SW7.1 22.68,113.27 SW8.1 22.68,84.69 SW9.1 32.21,60.88 SW10.1 36.97,46.59 SW11.1 46.49,30.15 44.18,27.83 39.64,27.83 SW12.1
Col_3: length 376.8
  Bottom w0.2: U1.4 292.63,119.22 292.13,119.72 292.13,122.31 286.08,128.36 54.28,128.36 48.87,122.96 SW13.1 48.87,106.56 41.7,99.38 41.7,94.25 SW14.1 41.73,85.49 51.3,75.91 51.3,75.22 SW15.1 51.26,64.51 56.02,59.74 SW16.1 56.02,47.16 65.3,37.87 65.3,37.31 SW17.1 65.54,29.85 60.73,25.03 60.65,25.03 SW18.1
Col_4: length 389.3
  Bottom w0.2: SW24.1 124.04,19.05 93.3,19.05 84.59,27.75 SW23.1 84.35,37.31 84.35,38.31 75.07,47.6 SW22.1 75.07,60.39 70.31,65.16 SW21.1 70.55,75.42 70.55,75.57 60.78,85.35 SW20.1 60.78,94.22 60.78,101.03 67.92,108.18 SW19.1 67.92,124.22 71.67,127.96 285.55,127.96 291.36,122.15 291.36,119.37 294.05,116.68 U1.5
Col_5: length 325.5
  Bottom w0.2: 295.35,114.79 295.35,114.38 ; SW29.1 103.64,38.3 94.12,47.83 SW28.1 94.2,56.2 94.2,59.33 89.36,64.18 SW27.1 89.33,75.2 89.33,76.51 79.83,86.01 SW26.1 86.97,101.36 SW25.1 86.97,124.35 90.18,127.55 266.37,127.55 269.38,124.54 269.38,112.29 270.57,111.1 290.45,111.1 293.49,114.14 U1.6
Col_6: length 301.5
  Bottom w0.2: SW34.1 122.73,37.1 122.73,38.2 113.17,47.76 SW33.1 112.8,56.48 112.8,61.78 108.41,66.18 SW32.1 108.41,75.88 98.88,85.41 SW31.1 98.82,94.28 98.82,102.39 110.79,114.36 SW30.1 110.79,122.96 114.97,127.14 266.14,127.14 268.95,124.33 268.95,112.1 270.44,110.61 290.83,110.61 291.82,111.6 U1.7
Col_7: length 284.2
  Bottom w0.2: U1.9 290.51,106.52 289.37,107.67 289.37,109.35 288.53,110.19 270.19,110.19 268.5,111.88 268.5,124.2 265.97,126.73 134.22,126.73 129.84,122.35 SW35.1 129.84,113.17 117.93,101.26 SW36.1 117.93,85.18 127.46,75.65 SW37.1 127.46,63.62 132.16,58.92 132.16,56.18 SW38.1 132.22,47.38 141.74,37.85 SW39.1 ; 295.11,106.76 295.35,106.76
